# KiCad board bells-venn-rounded.kicad_pcb
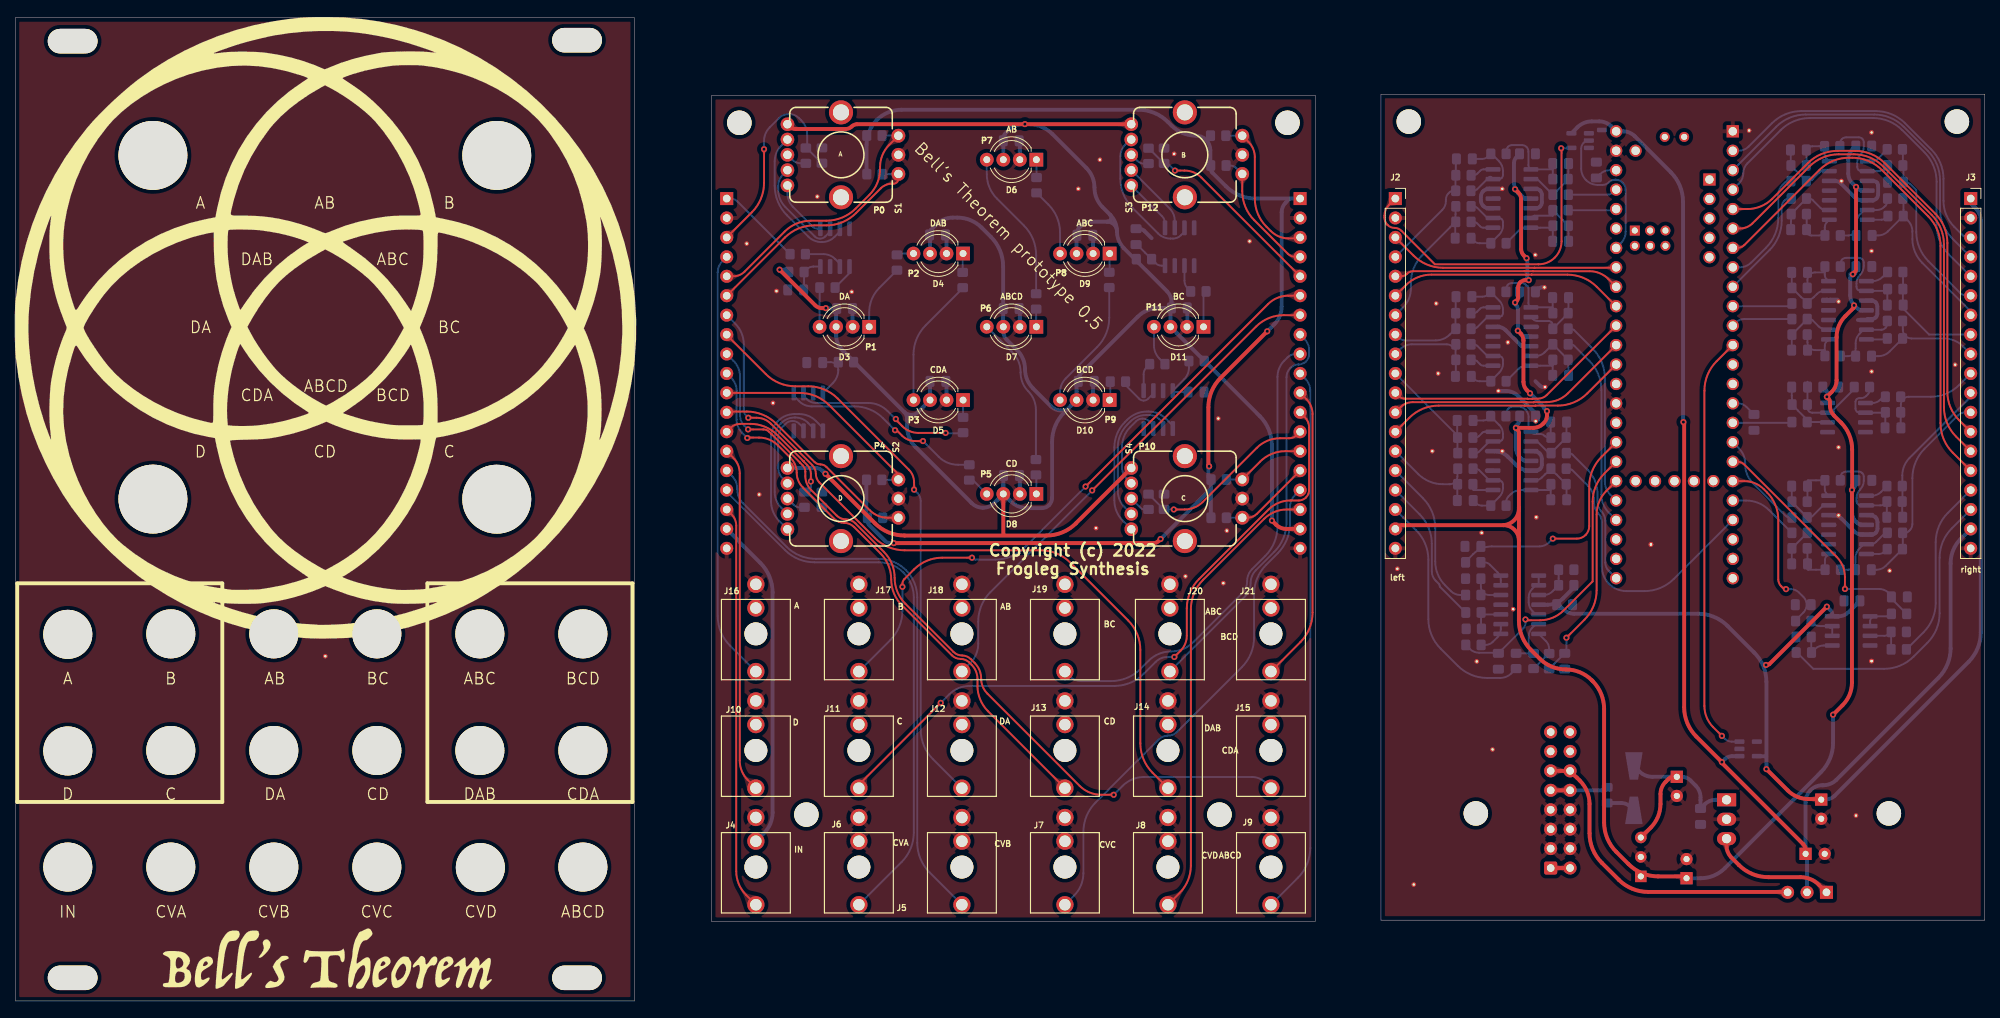
[diagram p0: board, top side]
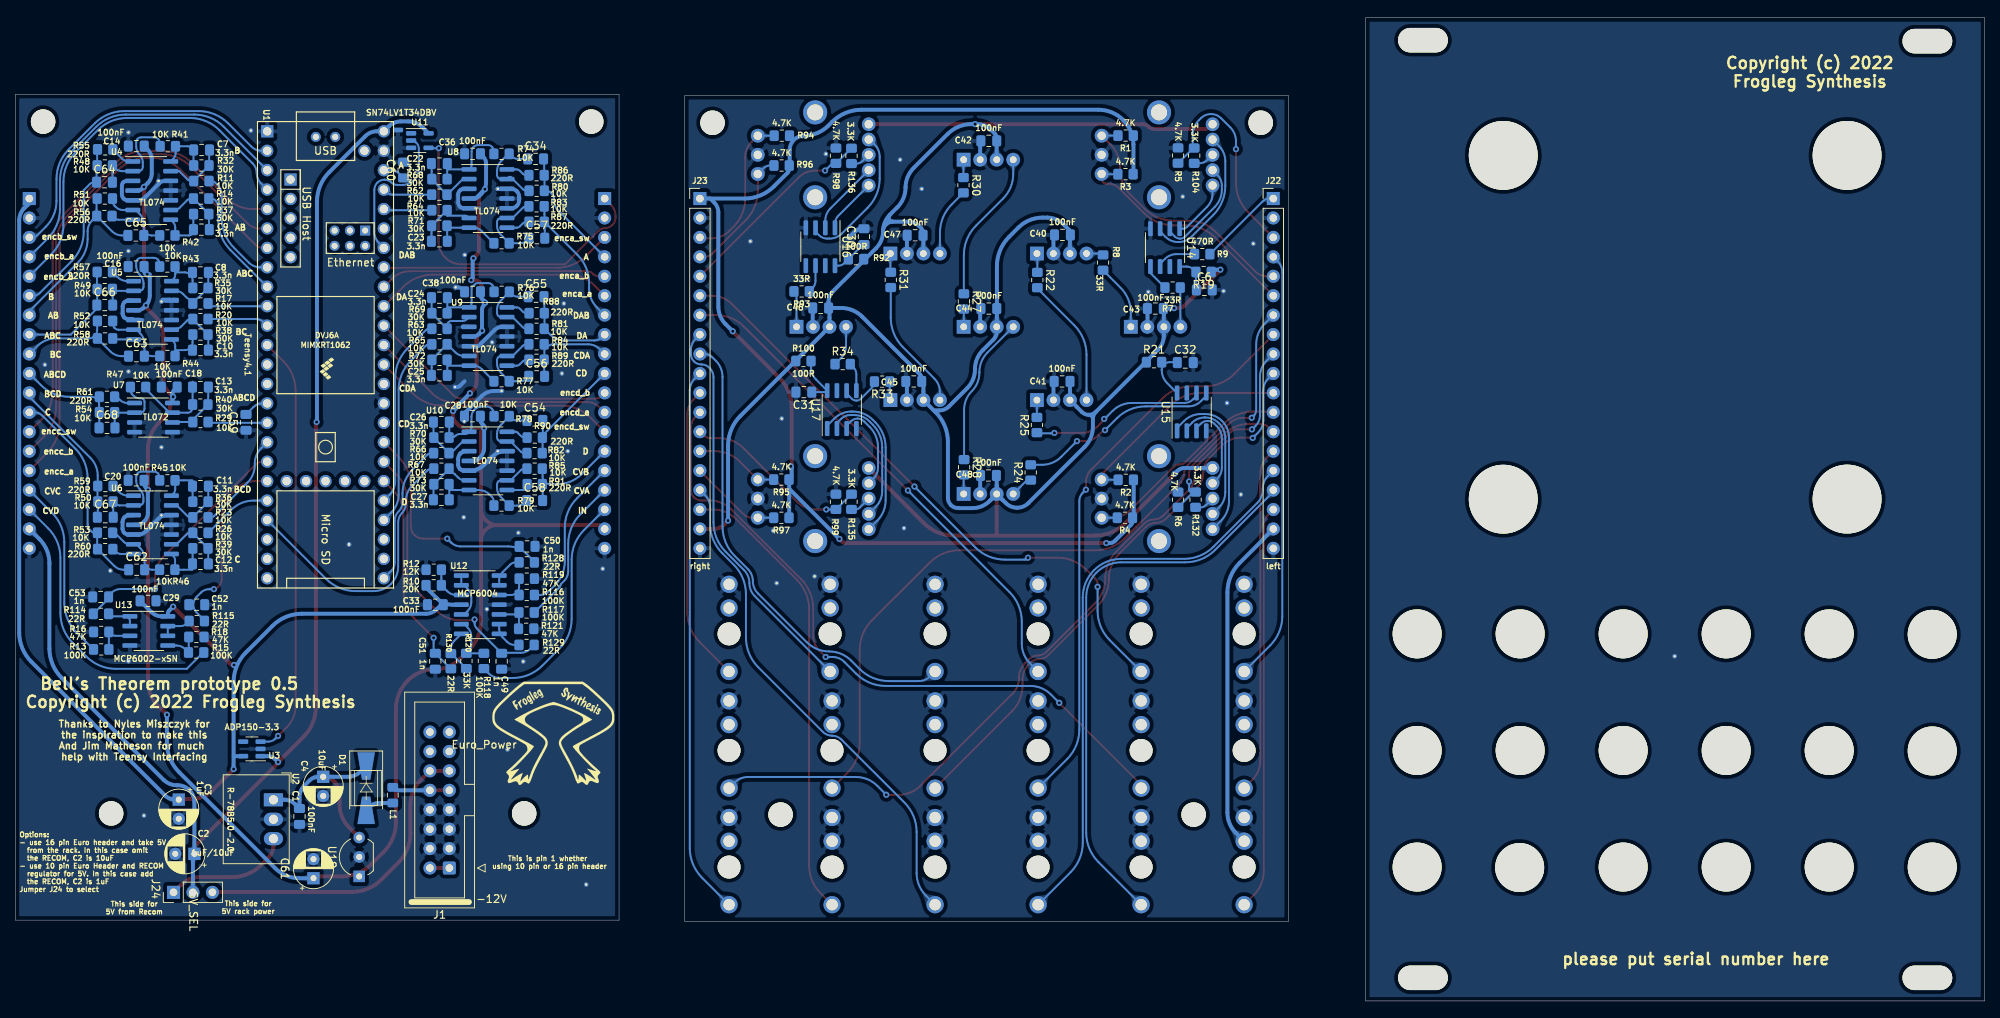
[diagram p1: board, bottom side, seen from below]

Outline 257.35 x 128.5 mm; copper layers: Top, Bottom. Coordinates in mm from the lower left corner of the outline.
Outline path: 0,128.5 80.9,128.5 80.9,0 0,0 0,128.5 ; 90.98,118.34 169.88,118.34 169.88,10.41 90.98,10.41 90.98,118.34 ; 178.46,118.49 257.35,118.49 257.35,10.57 178.46,10.57 178.46,118.49
Stack: Top 0.035mm / dielectric 1.51mm FR4 er 4.5 / Bottom 0.035mm

## Placement (name value [footprint] x y rotation side)
C1  100nF  [C_0805_2012Metric_Pad1.18x1.45mm_HandSolder]  220.22 24.11 270 bottom
C2  1uF/10uF  [CP_Radial_D5.0mm_P2.50mm]  233.95 19.23 0 bottom
C3  1uF  [CP_Radial_D5.0mm_P2.50mm]  235.99 26.31 270 bottom
C4  10uF  [CP_Radial_D5.0mm_P2.50mm]  217.12 29.3 270 bottom
C6  100nF  [C_0805_2012Metric_Pad1.18x1.45mm_HandSolder]  101.98 92.94 180 bottom
C7  3.3n  [C_0805_2012Metric_Pad1.18x1.45mm_HandSolder]  233.01 111.23 180 bottom
C8  3.3n  [C_0805_2012Metric_Pad1.18x1.45mm_HandSolder]  233.16 95.22 180 bottom
C9  3.3n  [C_0805_2012Metric_Pad1.18x1.45mm_HandSolder]  233.04 100.81 180 bottom
C10  3.3n  [C_0805_2012Metric_Pad1.18x1.45mm_HandSolder]  233.16 85.06 180 bottom
C11  3.3n  [C_0805_2012Metric_Pad1.18x1.45mm_HandSolder]  233.16 67.28 180 bottom
C12  3.3n  [C_0805_2012Metric_Pad1.18x1.45mm_HandSolder]  233.16 57.12 180 bottom
C13  3.3n  [C_0805_2012Metric_Pad1.18x1.45mm_HandSolder]  233.16 80.24 180 bottom
C14  100nF  [C_0805_2012Metric_Pad1.18x1.45mm_HandSolder]  241.55 111.73 0 bottom
C16  100nF  [C_0805_2012Metric_Pad1.18x1.45mm_HandSolder]  241.56 95.99 0 bottom
C18  100nF  [C_0805_2012Metric_Pad1.18x1.45mm_HandSolder]  237.24 80.24 0 bottom
C20  100nF  [C_0805_2012Metric_Pad1.18x1.45mm_HandSolder]  241.56 68.05 0 bottom
C22  3.3n  [C_0805_2012Metric_Pad1.18x1.45mm_HandSolder]  201.94 109.45 180 bottom
C23  3.3n  [C_0805_2012Metric_Pad1.18x1.45mm_HandSolder]  201.94 99.29 180 bottom
C24  3.3n  [C_0805_2012Metric_Pad1.18x1.45mm_HandSolder]  201.93 91.92 180 bottom
C25  3.3n  [C_0805_2012Metric_Pad1.18x1.45mm_HandSolder]  201.94 81.76 180 bottom
C26  3.3n  [C_0805_2012Metric_Pad1.18x1.45mm_HandSolder]  201.68 75.67 180 bottom
C27  3.3n  [C_0805_2012Metric_Pad1.18x1.45mm_HandSolder]  201.69 65.51 180 bottom
C28  100nF  [C_0805_2012Metric_Pad1.18x1.45mm_HandSolder]  197.62 76.43 0 bottom
C29  100nF  [C_0805_2012Metric_Pad1.18x1.45mm_HandSolder]  240.01 52.3 180 bottom
C30  100nF  [C_0805_2012Metric_Pad1.18x1.45mm_HandSolder]  146.46 99.9 90 bottom
C31  100nF  [C_0805_2012Metric_Pad1.18x1.45mm_HandSolder]  154.31 79.58 0 bottom
C32  100nF  [C_0805_2012Metric_Pad1.18x1.45mm_HandSolder]  104.47 83.44 180 bottom
C33  100nF  [C_0805_2012Metric_Pad1.18x1.45mm_HandSolder]  202.46 51.79 0 bottom
C34  2n  [C_0805_2012Metric_Pad1.18x1.45mm_HandSolder]  189.36 110.06 180 bottom
C36  100nF  [C_0805_2012Metric_Pad1.18x1.45mm_HandSolder]  197.6 110.72 0 bottom
C38  100nF  [C_0805_2012Metric_Pad1.18x1.45mm_HandSolder]  197.6 92.68 0 bottom
C40  100nF  [C_0805_2012Metric_Pad1.18x1.45mm_HandSolder]  120.51 100.13 0 bottom
C41  100nF  [C_0805_2012Metric_Pad1.18x1.45mm_HandSolder]  120.56 80.98 0 bottom
C42  100nF  [C_0805_2012Metric_Pad1.18x1.45mm_HandSolder]  130.14 112.42 0 bottom
C43  100nF  [C_0805_2012Metric_Pad1.18x1.45mm_HandSolder]  108.37 90.5 0 bottom
C44  100nF  [C_0805_2012Metric_Pad1.18x1.45mm_HandSolder]  130.13 90.5 0 bottom
C45  100nF  [C_0805_2012Metric_Pad1.18x1.45mm_HandSolder]  139.94 80.98 0 bottom
C46  100nF  [C_0805_2012Metric_Pad1.18x1.45mm_HandSolder]  152.11 90.58 0 bottom
C47  100nF  [C_0805_2012Metric_Pad1.18x1.45mm_HandSolder]  139.77 100.08 0 bottom
C48  100nF  [C_0805_2012Metric_Pad1.18x1.45mm_HandSolder]  130.18 68.68 0 bottom
C49  1n  [C_0805_2012Metric_Pad1.18x1.45mm_HandSolder]  193.8 44.4 270 bottom
C50  1n  [C_0805_2012Metric_Pad1.18x1.45mm_HandSolder]  190.48 59.41 180 bottom
C51  1n  [C_0805_2012Metric_Pad1.18x1.45mm_HandSolder]  202.47 44.4 270 bottom
C52  1n  [C_0805_2012Metric_Pad1.18x1.45mm_HandSolder]  233.64 51.79 180 bottom
C53  1n  [C_0805_2012Metric_Pad1.18x1.45mm_HandSolder]  246.2 52.81 0 bottom
C54  2n  [C_0805_2012Metric_Pad1.18x1.45mm_HandSolder]  189.45 75.87 180 bottom
C55  2n  [C_0805_2012Metric_Pad1.18x1.45mm_HandSolder]  189.3 92.05 180 bottom
C56  2n  [C_0805_2012Metric_Pad1.18x1.45mm_HandSolder]  189.23 81.64 180 bottom
C57  2n  [C_0805_2012Metric_Pad1.18x1.45mm_HandSolder]  189.2 99.7 180 bottom
C58  2n  [C_0805_2012Metric_Pad1.18x1.45mm_HandSolder]  189.48 65.41 180 bottom
C59  100nF  [C_0805_2012Metric_Pad1.18x1.45mm_HandSolder]  227.2 75.62 90 bottom
C60  100nF  [C_0805_2012Metric_Pad1.18x1.45mm_HandSolder]  206.6 108.61 90 bottom
C61  10uF  [CP_Radial_D5.0mm_P2.50mm]  218.39 16.04 90 bottom
C62  2n  [C_0805_2012Metric_Pad1.18x1.45mm_HandSolder]  241.5 56.36 180 bottom
C63  2n  [C_0805_2012Metric_Pad1.18x1.45mm_HandSolder]  241.52 84.28 180 bottom
C64  2n  [C_0805_2012Metric_Pad1.18x1.45mm_HandSolder]  245.7 107.01 180 bottom
C65  2n  [C_0805_2012Metric_Pad1.18x1.45mm_HandSolder]  241.6 100.05 180 bottom
C66  2n  [C_0805_2012Metric_Pad1.18x1.45mm_HandSolder]  245.66 90.96 180 bottom
C67  2n  [C_0805_2012Metric_Pad1.18x1.45mm_HandSolder]  245.6 63.22 180 bottom
C68  2n  [C_0805_2012Metric_Pad1.18x1.45mm_HandSolder]  245.37 74.9 180 bottom
D1  CDBM140-G  [D_SMA-SMB_Universal_Handsoldering]  211.51 27.82 270 bottom
D3  DA  [LED_D5.0mm-4_RGB_Wide_Pins]  111.58 88.11 180 top
D4  DAB  [LED_D5.0mm-4_RGB_Wide_Pins]  123.85 97.69 180 top
D5  CDA  [LED_D5.0mm-4_RGB_Wide_Pins]  123.85 78.54 180 top
D6  AB  [LED_D5.0mm-4_RGB_Wide_Pins]  133.43 109.96 180 top
D7  ABCD  [LED_D5.0mm-4_RGB_Wide_Pins]  133.43 88.11 180 top
D8  CD  [LED_D5.0mm-4_RGB_Wide_Pins]  133.43 66.27 180 top
D9  ABC  [LED_D5.0mm-4_RGB_Wide_Pins]  143 97.69 180 top
D10  BCD  [LED_D5.0mm-4_RGB_Wide_Pins]  143 78.54 180 top
D11  BC  [LED_D5.0mm-4_RGB_Wide_Pins]  155.27 88.11 180 top
G***  LOGO  [bells-theorem1]  40.77 5.05 0 top
G***#2  LOGO  [bells-theorem-trefoil]  40.51 87.99 0 top
G***#3  LOGO  [frogleg]  187.05 34.3 180 bottom
J1  Euro_Power  [IDC-Header_2x08_P2.54mm_Vertical]  200.63 17.37 0 bottom
J2  left  [PinSocket_1x19_P2.54mm_Vertical]  180.34 104.88 0 top
J3  right  [PinSocket_1x19_P2.54mm_Vertical]  255.52 104.88 0 top
J4  IN  [thonkiconn]  96.77 17.5 180 top
J5  CVA  [thonkiconn]  110.24 17.5 180 top
J6  CVB  [thonkiconn]  123.7 17.5 180 top
J7  CVC  [thonkiconn]  137.16 17.5 180 top
J8  CVD  [thonkiconn]  150.62 17.5 180 top
J9  ABCD  [thonkiconn]  164.08 17.5 180 top
J10  D  [thonkiconn]  96.77 32.74 180 top
J11  C  [thonkiconn]  110.24 32.74 180 top
J12  DA  [thonkiconn]  123.7 32.74 180 top
J13  CD  [thonkiconn]  137.16 32.74 180 top
J14  DAB  [thonkiconn]  150.62 32.74 180 top
J15  CDA  [thonkiconn]  164.08 32.74 180 top
J16  A  [thonkiconn]  96.77 47.98 180 top
J17  B  [thonkiconn]  110.24 47.98 180 top
J18  AB  [thonkiconn]  123.7 47.98 180 top
J19  BC  [thonkiconn]  137.16 47.98 180 top
J20  ABC  [thonkiconn]  150.88 47.98 180 top
J21  BCD  [thonkiconn]  164.08 47.98 180 top
J22  left  [PinHeader_1x19_P2.54mm_Vertical]  92.96 104.88 180 bottom
J23  right  [PinHeader_1x19_P2.54mm_Vertical]  167.89 104.88 180 bottom
J24  5V_SEL  [PinHeader_1x03_P2.54mm_Vertical]  236.68 14.2 90 bottom
L1  BLM21PG220SH1D  [L_0805_2012Metric_Pad1.15x1.40mm_HandSolder]  208.03 26.9 90 bottom
NOREF  -  [unnamed]  253.49 83.16 0 top
NOREF#2  -  [unnamed]  190.98 44.37 0 top
NOREF#3  -  [unnamed]  198.75 63.22 0 top
NOREF#4  -  [unnamed#2]  207.34 113.84 0 top
NOREF#5  -  [unnamed]  198.68 75.77 0 top
NOREF#6  -  [unnamed]  195.73 51.21 0 top
NOREF#7  -  [unnamed]  191.62 61.19 0 top
NOREF#8  -  [unnamed]  244.93 56.24 0 top
R1  4.7K  [R_0805_2012Metric_Pad1.20x1.40mm_HandSolder]  112.26 113.11 0 bottom
R2  4.7K  [R_0805_2012Metric_Pad1.20x1.40mm_HandSolder]  112.24 68.11 0 bottom
R3  4.7K  [R_0805_2012Metric_Pad1.20x1.40mm_HandSolder]  112.28 108.06 0 bottom
R4  4.7K  [R_0805_2012Metric_Pad1.20x1.40mm_HandSolder]  112.35 63.16 0 bottom
R5  4.7K  [R_0805_2012Metric_Pad1.20x1.40mm_HandSolder]  105.41 110.5 90 bottom
R6  4.7K  [R_0805_2012Metric_Pad1.20x1.40mm_HandSolder]  105.41 65.52 270 bottom
R7  33R  [R_0805_2012Metric_Pad1.20x1.40mm_HandSolder]  106.12 93.24 180 bottom
R8  33R  [R_0805_2012Metric_Pad1.20x1.40mm_HandSolder]  115.21 96.51 270 bottom
R9  470R  [R_0805_2012Metric_Pad1.20x1.40mm_HandSolder]  102.24 97.61 0 bottom
R10  20K  [R_0805_2012Metric_Pad1.20x1.40mm_HandSolder]  202.68 54.33 180 bottom
R11  10K  [R_0805_2012Metric_Pad1.20x1.40mm_HandSolder]  233.04 107.16 180 bottom
R12  12K  [R_0805_2012Metric_Pad1.20x1.40mm_HandSolder]  202.68 56.36 0 bottom
R13  100K  [R_0805_2012Metric_Pad1.20x1.40mm_HandSolder]  246.13 45.95 0 bottom
R14  10K  [R_0805_2012Metric_Pad1.20x1.40mm_HandSolder]  233.07 104.88 180 bottom
R15  100K  [R_0805_2012Metric_Pad1.20x1.40mm_HandSolder]  233.72 45.54 180 bottom
R16  47K  [R_0805_2012Metric_Pad1.20x1.40mm_HandSolder]  246.13 48.23 0 bottom
R17  10K  [R_0805_2012Metric_Pad1.20x1.40mm_HandSolder]  233.16 91.16 180 bottom
R18  47K  [R_0805_2012Metric_Pad1.20x1.40mm_HandSolder]  233.69 47.57 180 bottom
R19  100R  [R_0805_2012Metric_Pad1.20x1.40mm_HandSolder]  102.07 95.28 0 bottom
R20  10K  [R_0805_2012Metric_Pad1.20x1.40mm_HandSolder]  233.16 89.13 180 bottom
R21  100R  [R_0805_2012Metric_Pad1.20x1.40mm_HandSolder]  108.54 83.49 180 bottom
R22  33R  [R_0805_2012Metric_Pad1.20x1.40mm_HandSolder]  123.8 94.22 270 bottom
R23  10K  [R_0805_2012Metric_Pad1.20x1.40mm_HandSolder]  233.16 63.2 180 bottom
R24  33R  [R_0805_2012Metric_Pad1.20x1.40mm_HandSolder]  124.66 69.08 90 bottom
R25  33R  [R_0805_2012Metric_Pad1.20x1.40mm_HandSolder]  123.85 75.28 90 bottom
R26  10K  [R_0805_2012Metric_Pad1.20x1.40mm_HandSolder]  233.16 61.19 180 bottom
R27  33R  [R_0805_2012Metric_Pad1.20x1.40mm_HandSolder]  133.4 91.43 270 bottom
R28  33R  [R_0805_2012Metric_Pad1.20x1.40mm_HandSolder]  133.37 69.76 270 bottom
R29  10K  [R_0805_2012Metric_Pad1.20x1.40mm_HandSolder]  233.16 75.67 180 bottom
R30  33R  [R_0805_2012Metric_Pad1.20x1.40mm_HandSolder]  133.45 106.62 270 bottom
R31  33R  [R_0805_2012Metric_Pad1.20x1.40mm_HandSolder]  142.95 94.24 270 bottom
R32  30K  [R_0805_2012Metric_Pad1.20x1.40mm_HandSolder]  233.04 109.19 180 bottom
R33  33R  [R_0805_2012Metric_Pad1.20x1.40mm_HandSolder]  144.08 80.95 0 bottom
R34  33R  [R_0805_2012Metric_Pad1.20x1.40mm_HandSolder]  149.23 83.24 180 bottom
R35  30K  [R_0805_2012Metric_Pad1.20x1.40mm_HandSolder]  233.16 93.19 180 bottom
R36  30K  [R_0805_2012Metric_Pad1.20x1.40mm_HandSolder]  233.16 65.25 180 bottom
R37  30K  [R_0805_2012Metric_Pad1.20x1.40mm_HandSolder]  233.06 102.84 180 bottom
R38  30K  [R_0805_2012Metric_Pad1.20x1.40mm_HandSolder]  233.16 87.1 180 bottom
R39  30K  [R_0805_2012Metric_Pad1.20x1.40mm_HandSolder]  233.16 59.16 180 bottom
R40  30K  [R_0805_2012Metric_Pad1.20x1.40mm_HandSolder]  233.18 77.95 180 bottom
R41  10K  [R_0805_2012Metric_Pad1.20x1.40mm_HandSolder]  237.42 111.71 180 bottom
R42  10K  [R_0805_2012Metric_Pad1.20x1.40mm_HandSolder]  237.48 100.05 180 bottom
R43  10K  [R_0805_2012Metric_Pad1.20x1.40mm_HandSolder]  237.48 95.99 180 bottom
R44  10K  [R_0805_2012Metric_Pad1.20x1.40mm_HandSolder]  237.48 84.3 180 bottom
R45  10K  [R_0805_2012Metric_Pad1.20x1.40mm_HandSolder]  237.48 68.05 180 bottom
R46  10K  [R_0805_2012Metric_Pad1.20x1.40mm_HandSolder]  237.5 56.36 180 bottom
R47  10K  [R_0805_2012Metric_Pad1.20x1.40mm_HandSolder]  241.31 80.24 180 bottom
R48  10K  [R_0805_2012Metric_Pad1.20x1.40mm_HandSolder]  245.66 109.19 180 bottom
R49  10K  [R_0805_2012Metric_Pad1.20x1.40mm_HandSolder]  245.66 93.04 180 bottom
R50  10K  [R_0805_2012Metric_Pad1.20x1.40mm_HandSolder]  245.57 65.27 180 bottom
R51  10K  [R_0805_2012Metric_Pad1.20x1.40mm_HandSolder]  245.65 104.88 180 bottom
R52  10K  [R_0805_2012Metric_Pad1.20x1.40mm_HandSolder]  245.63 88.87 180 bottom
R53  10K  [R_0805_2012Metric_Pad1.20x1.40mm_HandSolder]  245.63 61.19 180 bottom
R54  10K  [R_0805_2012Metric_Pad1.20x1.40mm_HandSolder]  245.37 76.94 180 bottom
R55  220R  [R_0805_2012Metric_Pad1.20x1.40mm_HandSolder]  245.61 111.3 180 bottom
R56  220R  [R_0805_2012Metric_Pad1.20x1.40mm_HandSolder]  245.71 102.59 180 bottom
R57  220R  [R_0805_2012Metric_Pad1.20x1.40mm_HandSolder]  245.66 95.28 180 bottom
R58  220R  [R_0805_2012Metric_Pad1.20x1.40mm_HandSolder]  245.63 86.59 180 bottom
R59  220R  [R_0805_2012Metric_Pad1.20x1.40mm_HandSolder]  245.58 67.3 180 bottom
R60  220R  [R_0805_2012Metric_Pad1.20x1.40mm_HandSolder]  245.61 59.06 180 bottom
R61  220R  [R_0805_2012Metric_Pad1.20x1.40mm_HandSolder]  245.37 78.97 180 bottom
R62  10K  [R_0805_2012Metric_Pad1.20x1.40mm_HandSolder]  201.94 105.38 0 bottom
R63  10K  [R_0805_2012Metric_Pad1.20x1.40mm_HandSolder]  201.92 87.86 0 bottom
R64  10K  [R_0805_2012Metric_Pad1.20x1.40mm_HandSolder]  201.92 103.35 0 bottom
R65  10K  [R_0805_2012Metric_Pad1.20x1.40mm_HandSolder]  201.92 85.83 0 bottom
R66  10K  [R_0805_2012Metric_Pad1.20x1.40mm_HandSolder]  201.69 71.6 0 bottom
R67  10K  [R_0805_2012Metric_Pad1.20x1.40mm_HandSolder]  201.67 69.57 0 bottom
R68  30K  [R_0805_2012Metric_Pad1.20x1.40mm_HandSolder]  201.92 107.42 0 bottom
R69  30K  [R_0805_2012Metric_Pad1.20x1.40mm_HandSolder]  201.92 89.89 0 bottom
R70  30K  [R_0805_2012Metric_Pad1.20x1.40mm_HandSolder]  201.67 73.63 0 bottom
R71  30K  [R_0805_2012Metric_Pad1.20x1.40mm_HandSolder]  201.94 101.32 0 bottom
R72  30K  [R_0805_2012Metric_Pad1.20x1.40mm_HandSolder]  201.92 83.79 0 bottom
R73  30K  [R_0805_2012Metric_Pad1.20x1.40mm_HandSolder]  201.67 67.54 0 bottom
R74  10K  [R_0805_2012Metric_Pad1.20x1.40mm_HandSolder]  193.81 110.72 0 bottom
R75  10K  [R_0805_2012Metric_Pad1.20x1.40mm_HandSolder]  193.81 99.03 0 bottom
R76  10K  [R_0805_2012Metric_Pad1.20x1.40mm_HandSolder]  193.79 92.68 0 bottom
R77  10K  [R_0805_2012Metric_Pad1.20x1.40mm_HandSolder]  193.81 81 0 bottom
R78  10K  [R_0805_2012Metric_Pad1.20x1.40mm_HandSolder]  193.79 76.43 0 bottom
R79  10K  [R_0805_2012Metric_Pad1.20x1.40mm_HandSolder]  193.81 64.74 0 bottom
R80  10K  [R_0805_2012Metric_Pad1.20x1.40mm_HandSolder]  189.22 105.89 0 bottom
R81  10K  [R_0805_2012Metric_Pad1.20x1.40mm_HandSolder]  189.24 87.86 0 bottom
R82  10K  [R_0805_2012Metric_Pad1.20x1.40mm_HandSolder]  189.49 71.6 0 bottom
R83  10K  [R_0805_2012Metric_Pad1.20x1.40mm_HandSolder]  189.24 103.86 0 bottom
R84  10K  [R_0805_2012Metric_Pad1.20x1.40mm_HandSolder]  189.24 85.83 0 bottom
R85  10K  [R_0805_2012Metric_Pad1.20x1.40mm_HandSolder]  189.49 69.57 0 bottom
R86  220R  [R_0805_2012Metric_Pad1.20x1.40mm_HandSolder]  189.24 107.92 0 bottom
R87  220R  [R_0805_2012Metric_Pad1.20x1.40mm_HandSolder]  189.23 101.83 0 bottom
R88  220R  [R_0805_2012Metric_Pad1.20x1.40mm_HandSolder]  189.22 89.89 0 bottom
R89  220R  [R_0805_2012Metric_Pad1.20x1.40mm_HandSolder]  189.24 83.79 0 bottom
R90  220R  [R_0805_2012Metric_Pad1.20x1.40mm_HandSolder]  189.47 73.63 0 bottom
R91  220R  [R_0805_2012Metric_Pad1.20x1.40mm_HandSolder]  189.47 67.54 0 bottom
R92  100R  [R_0805_2012Metric_Pad1.20x1.40mm_HandSolder]  147.49 96.95 0 bottom
R93  33R  [R_0805_2012Metric_Pad1.20x1.40mm_HandSolder]  154.6 92.74 0 bottom
R94  4.7K  [R_0805_2012Metric_Pad1.20x1.40mm_HandSolder]  157.18 113.09 0 bottom
R95  4.7K  [R_0805_2012Metric_Pad1.20x1.40mm_HandSolder]  157.25 68.15 0 bottom
R96  4.7K  [R_0805_2012Metric_Pad1.20x1.40mm_HandSolder]  157.22 109.19 0 bottom
R97  4.7K  [R_0805_2012Metric_Pad1.20x1.40mm_HandSolder]  157.25 63.16 0 bottom
R98  4.7K  [R_0805_2012Metric_Pad1.20x1.40mm_HandSolder]  150.11 110.47 90 bottom
R99  4.7K  [R_0805_2012Metric_Pad1.20x1.40mm_HandSolder]  150.11 65.24 270 bottom
R100  100R  [R_0805_2012Metric_Pad1.20x1.40mm_HandSolder]  154.37 83.64 180 bottom
R104  3.3K  [R_0805_2012Metric_Pad1.20x1.40mm_HandSolder]  103.3 110.48 90 bottom
R114  22R  [R_0805_2012Metric_Pad1.20x1.40mm_HandSolder]  246.16 50.6 180 bottom
R115  22R  [R_0805_2012Metric_Pad1.20x1.40mm_HandSolder]  233.64 49.66 0 bottom
R116  100K  [R_0805_2012Metric_Pad1.20x1.40mm_HandSolder]  190.52 53.06 180 bottom
R117  100K  [R_0805_2012Metric_Pad1.20x1.40mm_HandSolder]  190.54 50.77 180 bottom
R118  100K  [R_0805_2012Metric_Pad1.20x1.40mm_HandSolder]  196.12 44.44 270 bottom
R119  47K  [R_0805_2012Metric_Pad1.20x1.40mm_HandSolder]  190.52 55.19 180 bottom
R120  33K  [R_0805_2012Metric_Pad1.20x1.40mm_HandSolder]  198.41 44.44 270 bottom
R121  47K  [R_0805_2012Metric_Pad1.20x1.40mm_HandSolder]  190.59 48.64 180 bottom
R128  22R  [R_0805_2012Metric_Pad1.20x1.40mm_HandSolder]  190.52 57.33 0 bottom
R129  22R  [R_0805_2012Metric_Pad1.20x1.40mm_HandSolder]  190.54 46.53 0 bottom
R130  22R  [R_0805_2012Metric_Pad1.20x1.40mm_HandSolder]  200.44 44.41 90 bottom
R132  3.3K  [R_0805_2012Metric_Pad1.20x1.40mm_HandSolder]  103.12 65.52 90 bottom
R135  3.3K  [R_0805_2012Metric_Pad1.20x1.40mm_HandSolder]  148.08 65.24 90 bottom
R136  3.3K  [R_0805_2012Metric_Pad1.20x1.40mm_HandSolder]  148.08 110.46 90 bottom
REF**  -  [MountingHole_3.2mm_M3]  103.38 24.36 0 top
REF**#2  -  [MountingHole_3.2mm_M3]  157.35 24.36 0 top
REF**#3  -  [MountingHole_3.2mm_M3]  94.62 114.78 0 top
REF**#4  -  [MountingHole_3.2mm_M3]  166.24 114.78 0 top
REF**#5  -  [MountingHole_6.4mm_M6]  20.32 47.98 0 top
REF**#6  -  [MountingHole_6.4mm_M6]  33.78 47.98 0 top
REF**#7  -  [MountingHole_6.4mm_M6]  60.71 47.98 0 top
REF**#8  -  [MountingHole_6.4mm_M6]  47.24 47.98 0 top
REF**#9  -  [MountingHole_6.4mm_M6]  60.71 32.74 0 top
REF**#10  -  [MountingHole_6.4mm_M6]  6.86 32.68 0 top
REF**#11  -  [MountingHole_6.4mm_M6]  20.32 32.74 0 top
REF**#12  -  [MountingHole_6.4mm_M6]  47.24 32.74 0 top
REF**#13  -  [MountingHole_6.4mm_M6]  33.78 32.74 0 top
REF**#14  -  [MountingHole_6.4mm_M6]  74.17 32.74 0 top
REF**#15  -  [MountingHole_6.4mm_M6]  60.77 17.44 0 top
REF**#16  -  [MountingHole_6.4mm_M6]  47.24 17.5 0 top
REF**#17  -  [MountingHole_6.4mm_M6]  33.78 17.5 0 top
REF**#18  -  [MountingHole_6.4mm_M6]  74.17 17.5 0 top
REF**#19  -  [MountingHole_6.4mm_M6]  6.86 17.5 0 top
REF**#20  -  [MountingHole_6.4mm_M6]  20.32 17.5 0 top
REF**#21  -  [MountingHole_3.2mm_M3]  182.09 114.94 0 top
REF**#22  -  [MountingHole_3.2mm_M3]  190.86 24.51 0 top
REF**#23  -  [MountingHole_3.2mm_M3]  253.72 114.94 0 top
REF**#24  -  [MountingHole_3.2mm_M3]  244.83 24.51 0 top
REF**#25  -  [stitch-via-0.6mm]  182.75 15.21 0 top
REF**#26  -  [stitch-via-0.6mm]  180.59 56.49 0 top
REF**#27  -  [stitch-via-0.6mm]  40.51 45.06 0 top
REF**#28  -  [EuroMountingSlot]  7.49 3.02 0 top
REF**#29  -  [EuroMountingSlot]  7.49 125.45 0 top
REF**#30  -  [EuroMountingSlot]  73.41 125.58 0 top
REF**#31  -  [EuroMountingSlot]  73.41 3.02 0 top
REF**#32  -  [stitch-via-0.6mm]  97.21 66.19 0 top
REF**#33  -  [MountingHole_6.4mm_M6]  74.17 47.98 0 top
REF**#34  -  [MountingHole_9mm_dia]  62.92 65.58 0 top
REF**#35  -  [MountingHole_9mm_dia]  62.92 110.52 0 top
REF**#36  -  [MountingHole_9mm_dia]  17.98 110.52 0 top
REF**#37  -  [MountingHole_6.4mm_M6]  6.86 47.92 0 top
REF**#38  -  [MountingHole_9mm_dia]  17.98 65.6 0 top
REF**#39  -  [stitch-via-0.6mm]  99.01 78.16 0 top
REF**#40  -  [stitch-via-0.6mm]  161.29 99.29 0 top
REF**#41  -  [stitch-via-0.6mm]  152.91 55.5 0 top
REF**#42  -  [stitch-via-0.6mm]  158.32 61.47 0 top
REF**#43  -  [stitch-via-0.6mm]  95.58 98.98 0 top
REF**#44  -  [stitch-via-0.6mm]  141.22 61.8 0 top
REF**#45  -  [stitch-via-0.6mm]  238.63 107.16 0 top
REF**#46  -  [stitch-via-0.6mm]  242.57 98.02 0 top
REF**#47  -  [stitch-via-0.6mm]  242.57 82.27 0 top
REF**#48  -  [stitch-via-0.6mm]  242.57 113.51 0 top
REF**#49  -  [stitch-via-0.6mm]  238.25 72.36 0 top
REF**#50  -  [stitch-via-0.6mm]  238.25 63.47 0 top
REF**#51  -  [stitch-via-0.6mm]  194.31 106.15 0 top
REF**#52  -  [stitch-via-0.6mm]  198.63 97.51 0 top
REF**#53  -  [stitch-via-0.6mm]  199.9 80.24 0 top
REF**#54  -  [stitch-via-0.6mm]  194.31 71.86 0 top
REF**#55  -  [stitch-via-0.6mm]  199.82 93.27 0 top
REF**#56  stitch-via-0.6mm  [stitch-via-0.6mm#2]  213.74 59.66 0 top
REF**#57  -  [stitch-via-0.6mm]  195.05 86.08 0 top
REF**#58  -  [stitch-via-0.6mm]  185.67 91.16 0 top
REF**#59  -  [stitch-via-0.6mm]  185.93 82.02 0 top
REF**#60  -  [stitch-via-0.6mm]  193.8 79.73 0 top
REF**#61  -  [stitch-via-0.6mm]  185.17 71.86 0 top
REF**#62  -  [stitch-via-0.6mm]  226.57 113.77 0 top
REF**#63  -  [stitch-via-0.6mm]  193.04 32.87 0 top
REF**#64  -  [stitch-via-0.6mm]  240.54 24.23 0 top
REF**#65  -  [stitch-via-0.6mm]  157.86 54.61 0 top
REF**#66  -  [stitch-via-0.6mm]  104.8 105.13 0 top
REF**#67  -  [stitch-via-0.6mm]  141.73 109.96 0 top
REF**#68  -  [stitch-via-0.6mm]  151.43 110.72 0 top
REF**#69  -  [stitch-via-0.6mm]  157.2 76.12 0 top
REF**#70  -  [stitch-via-0.6mm]  138.91 106.15 0 top
REF**#71  -  [stitch-via-0.6mm]  109.3 92.68 0 top
REF**#72  -  [stitch-via-0.6mm]  99.47 92.79 0 top
REF**#73  stitch-via-0.6mm  [stitch-via-0.6mm#2]  242.57 44.42 0 top
REF**#74  -  [stitch-via-0.6mm]  238.25 91.41 0 bottom
S1  ENCODER-RGB-SWITCH  [ENCODER_LED_3_KIT]  107.9 110.59 90 top
S2  ENCODER-RGB-SWITCH  [ENCODER_LED_3_KIT]  107.9 65.66 90 top
S3  ENCODER-RGB-SWITCH  [ENCODER_LED_3_KIT]  152.83 110.59 90 top
S4  ENCODER-RGB-SWITCH  [ENCODER_LED_3_KIT]  152.83 65.66 90 top
U1  Teensy4.1  [Teensy41]  216.81 84.46 270 bottom
U2  R-78B5.0-2.0  [Converter_DCDC_RECOM_R-78B-2.0_THT]  223.62 26.29 270 bottom